# Altium PCB Length Bar Comparator.PcbDoc (part 4 of 6) (continued)
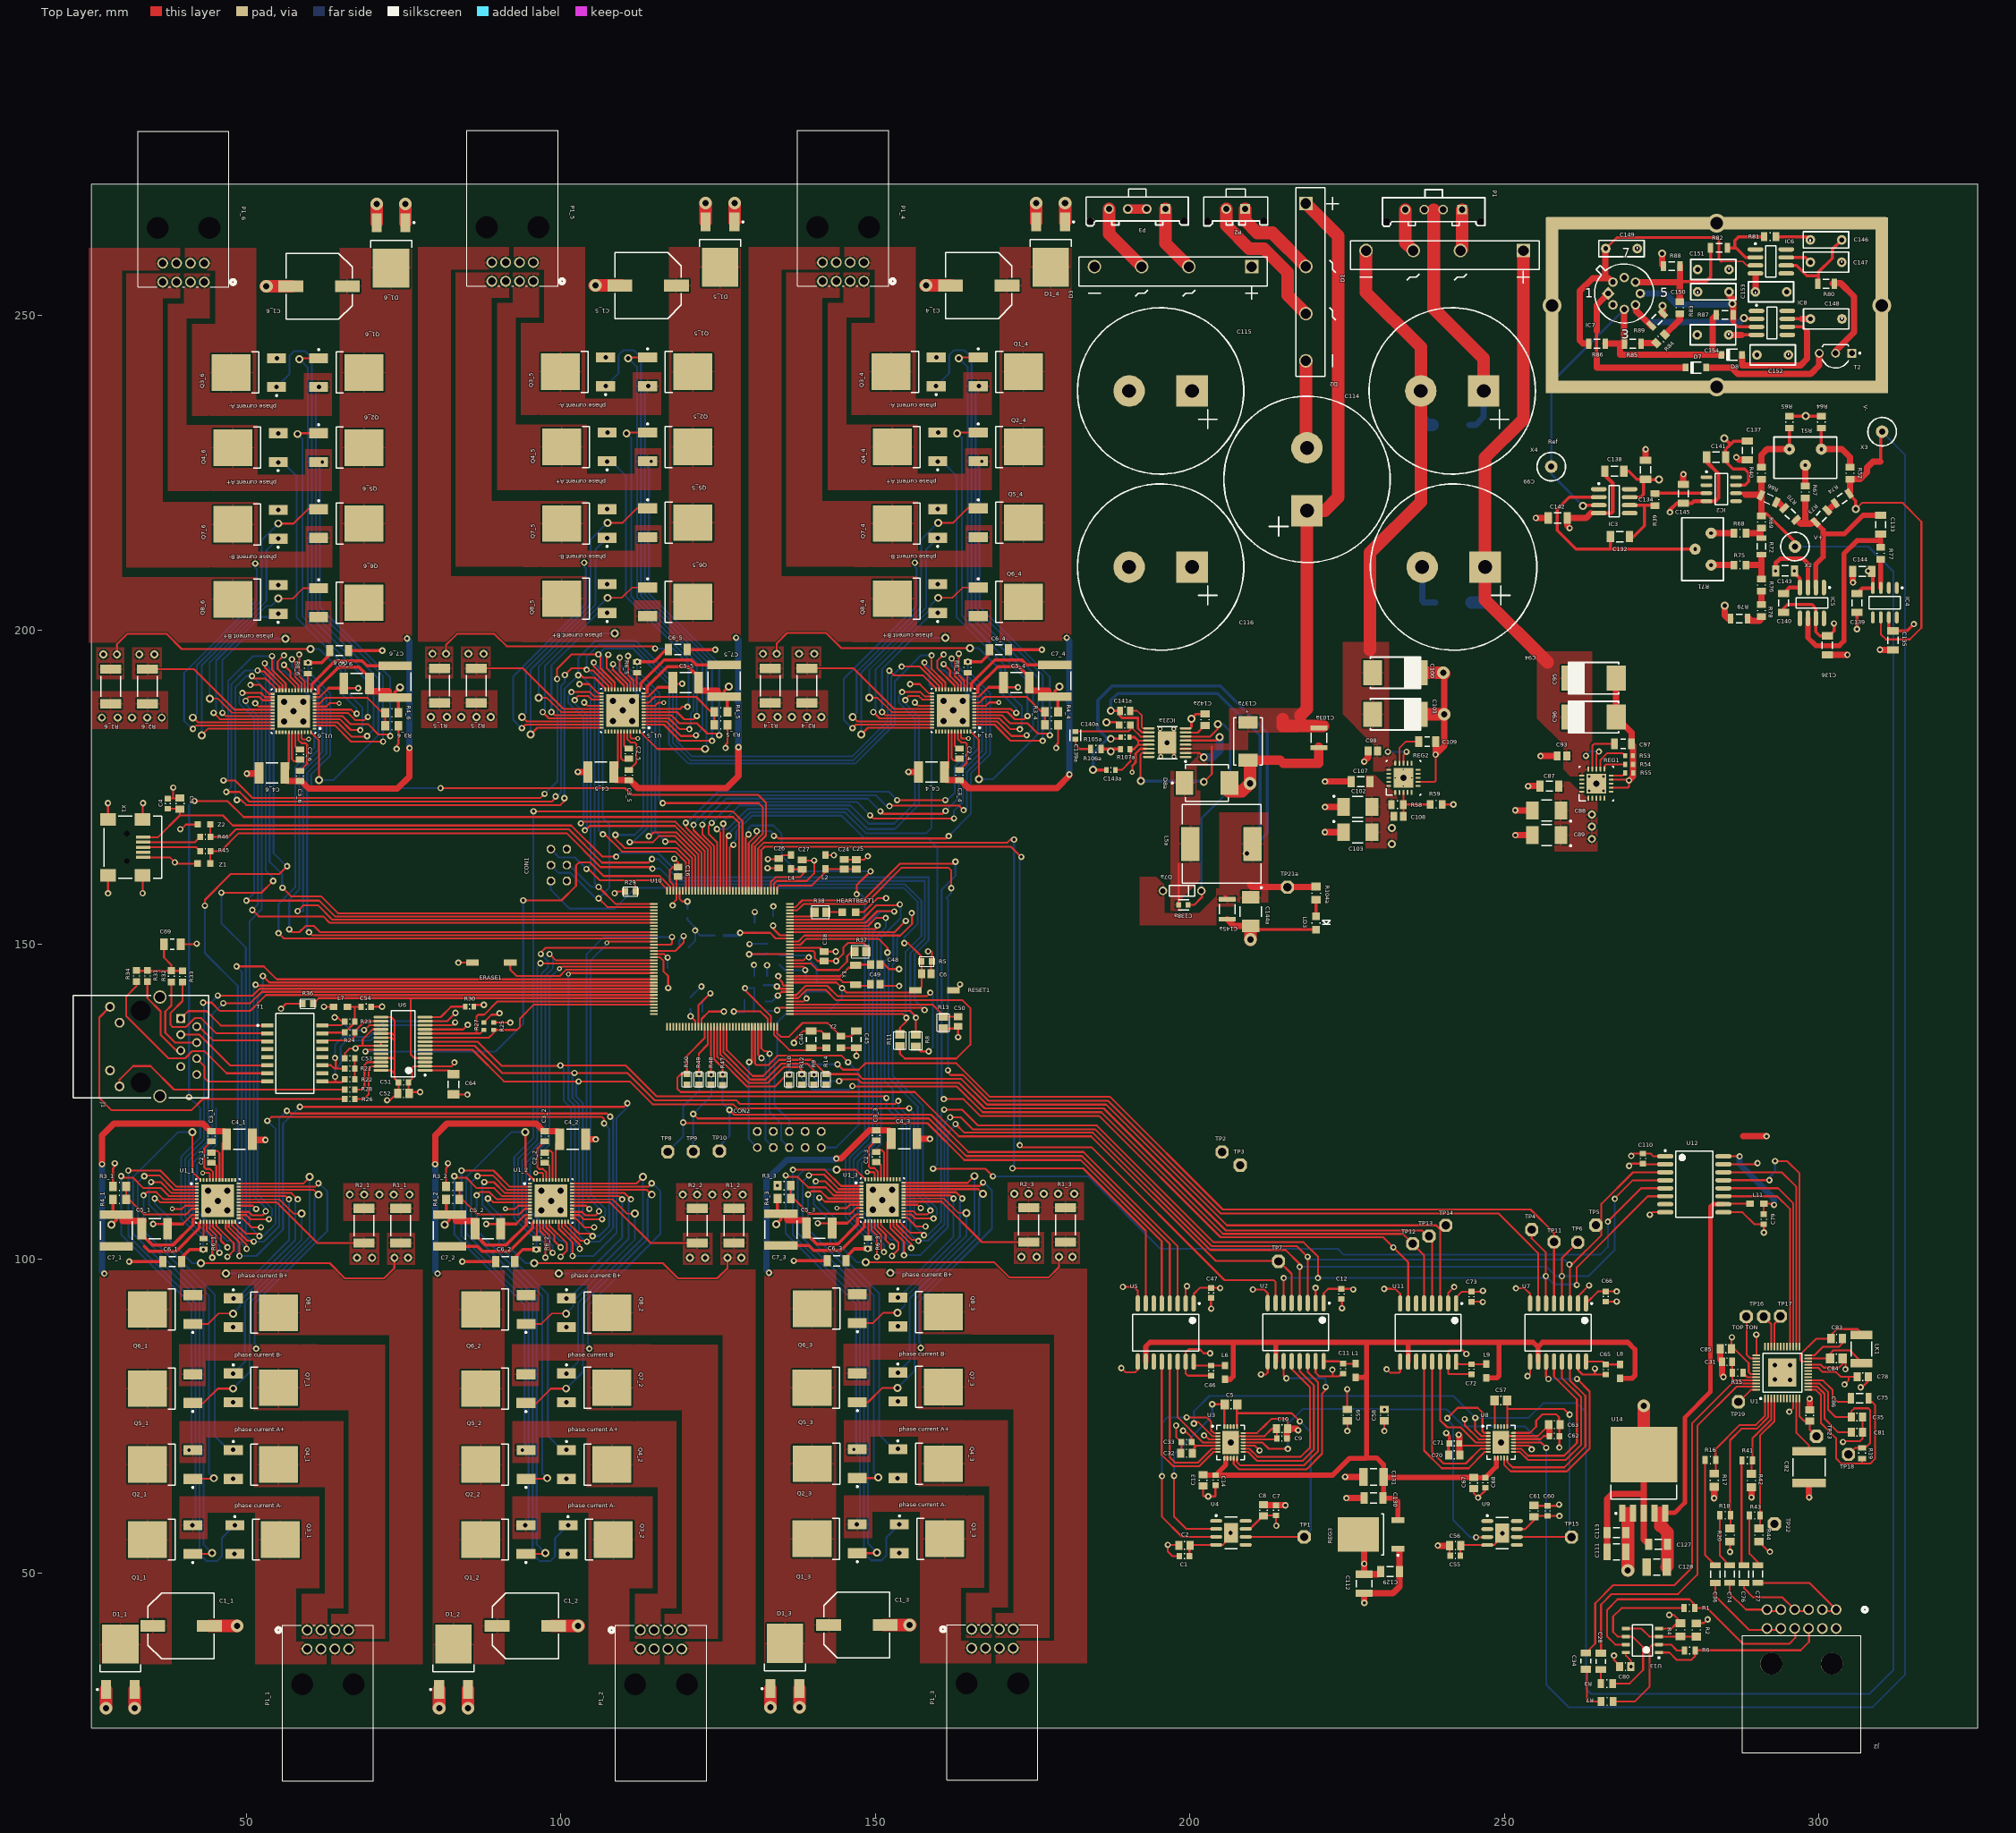
[diagram p0: Top Layer view]
## Nets (pads, with @x,y where several pads share a name; then routed paths per layer and width w, separated by ;. In a path a pad name is that pad's centre, name@x,y a point inside that pad or via, vN(x,y) a via of type N, cw(c..) or ccw(c..) an arc to the next point about the centre after c; other vN are vias at no path point) (continued)
  Top Layer w0.4: C149.2@266.04,260.589 C149.2@266.08,260.629 267.858,262.407 283.693,262.407 284.074,262.026 284.074,258.978 284.455,258.597
  Top Layer w1: R86.1@263.373,245.516 262.484,245.516 261.976,246.024 261.976,253.898 264.008,255.93 266.04,255.93 ; C149.2@266.04,260.589 266.04,255.93 ; IC7.8@267.223,255.295 266.588,255.93 266.04,255.93
NetC150_2: C150.2 IC7.5 IC8.3 R87.2 | length 25.1
  Top Layer w0.5: 286.328,249.144 286.328,248.89 287.035,248.183 IC8.3@290.046,248.183
  Top Layer w1: C150.2@285.558,253.771 285.725,253.604 285.725,253.136 286.233,252.628 v2@286.233,252.12 ; v2(286.233,251.866) v2@286.233,252.12 ; 286.328,249.144 R87.2@286.328,250.088 286.328,252.215 v2@286.233,252.12
  Bottom Layer w1: IC7.5@271.559,253.499 275.583,253.499 277.343,251.739 285.852,251.739 285.979,251.866 v2(286.233,251.866)
NetD1_2: D1.2 P1.P$1 | length 6.6
  Top Layer w0.4: D1.2@242.987,260.325 D1.2@243.233,260.571
  Top Layer w2: D1.2@243.233,260.571 P1.P$1@243.233,266.827
NetD1_3: D1.3 P1.P$4 | length 7
  Top Layer w2: P1.P$4@234.233,266.827 234.233,261.579 D1.3@235.487,260.325
NetD2_2: D2.2 P2.P$1 | length 14.5
  Top Layer w2: P2.P$1@208.763,266.929 208.763,265.074 210.693,263.144 213.066,263.144 D2.2@218.415,257.795
NetD2_3: D2.3 P2.P$2 | length 23.2
  Top Layer w2: P2.P$2@205.762,266.929 205.762,264.29 209.423,260.629 211.734,260.629 215.519,256.845 215.519,253.191 D2.3@218.415,250.295
NetD3_2: D3.2 P3.P$1 | length 10.7
  Top Layer w2: P3.P$1@196.116,266.929 196.116,261.45 D3.2@199.807,257.759
NetD3_3: D3.3 P3.P$4 | length 11.3
  Top Layer w2: P3.P$4@187.116,266.929 187.116,262.95 D3.3@192.307,257.759
NetD7_1: D7.1 T2.3 | length 20.7
  Top Layer w0.254: 299.949,241.96 300.016,242.027
  Top Layer w1: D7.1@282.296,241.706 286.055,241.706 287.071,240.69 298.679,240.69 299.949,241.96 ; 300.016,242.027 T2.3@300.016,243.992
NetD7_2: D7.2 IC7.1 | length 26.7
  Top Layer w0.5: 264.643,243.484 264.643,247.548
  Top Layer w1: 264.643,243.484 264.643,241.706 D7.2@278.752,241.706 D7.2@278.765,241.694 ; 264.643,247.548 264.643,251.663 IC7.1@266.479,253.499
NetD8_1: D8.1 IC8.6 | length 20.2
  Top Layer w0.254: 287.744,242.127 287.784,242.087
  Top Layer w0.5: IC8.6@294.946,248.183 297.322,248.183 298.084,247.421
  Top Layer w1: 287.744,242.127 D8.1@287.744,243.738 ; 287.784,242.087 297.068,242.087 298.084,243.103 298.084,247.421
NetD8_2: D8.2 IC3.3 IC7.3 R85.2 R86.2 R87.1 X4.1 | length 73.4
  Top Layer w0.5: v2@262.723,219.837 IC3.3@264.972,219.837
  Top Layer w1: R86.2@266.023,245.516 268.072,245.516 ; R85.2@269.019,245.57 IC7.3@269.019,250.959 ; R85.2@269.073,245.516 268.072,245.516 ; 283.083,243.738 283.083,249.494 R87.1@283.678,250.088 ; D8.2@284.467,243.738 268.326,243.738 268.326,245.262 268.072,245.516
  Bottom Layer w0.4: v2(262.469,219.71) 257.429,224.75 X4.1@257.429,225.958 257.429,239.37 IC7.3@269.019,250.959
NetHEARTBEAT1_A: HEARTBEAT1.A R38.1 | length 2
  Top Layer w0.305: R38.1@142.199,155.143 HEARTBEAT1.A@144.221,155.143
NetIC2_3: IC2.3 R39.2 | length 8.2
  Top Layer w0.5: R39.2@273.965,221.742 IC2.3@282.09,221.742
  Top Layer w1: R39.2@273.899,221.676 R39.2@273.965,221.742
NetIC4_3: IC4.3 R77.2 | length 4.6
  Top Layer w0.8: R77.2@309.778,211.242 309.804,211.216 IC4.3@309.804,206.693
NetIC6_2: IC6.2 R81.1 R82.1 | length 11
  Top Layer w0.5: R82.1@285.399,260.756 286.614,260.756 286.614,261.899 287.249,262.534 288.265,262.534 R81.1@291.252,262.534 ; 286.741,260.796 288.305,259.232 IC6.2@289.879,259.232
NetIC7_4: IC7.4 IC8.2 R89.2 | length 25.5
  Top Layer w0.5: v2@288.178,249.453 IC8.2@290.046,249.453
  Top Layer w1: IC7.4@270.815,251.703 270.815,250.845 R89.2@273.271,248.389 ; v2(288.051,249.58) v2@288.178,249.453
  Bottom Layer w1: IC7.4@270.815,251.703 270.815,250.814 272.684,248.945 287.416,248.945 v2(288.051,249.58)
NetIC7_6: IC7.6 R82.2 R83.1 R88.2 | length 22.6
  Top Layer w0.5: 277.891,255.422 282.042,255.422 282.749,256.129 R82.2@282.749,260.756
  Top Layer w1: IC7.6@270.815,255.295 277.764,255.295 277.891,255.168 ; R83.1@277.851,252.181 277.851,255.128 277.891,255.168 ; R88.2@277.891,257.907 277.891,255.422 277.891,255.168
NetJ1_1: J1.1 T1.1 | length 15.2
  Top Layer w0.305: J1.1@39.573,138.201 40.767,139.395 43.637,139.395 45.923,137.109 53.287,137.109 T1.1@53.313,137.135
NetJ1_2: J1.2 T1.3 | length 12.2
  Top Layer w0.305: J1.2@42.113,136.931 42.494,136.931 44.704,134.722 53.186,134.722 T1.3@53.313,134.595
NetJ1_3: J1.3 T1.6 | length 15.8
  Top Layer w0.305: J1.3@39.573,135.661 42.545,135.661 47.447,130.759 53.287,130.759 T1.6@53.312,130.785
NetJ1_4: J1.4 R32.1 | length 14.1
  Top Layer w0.305: R32.1@38.075,144.032 38.075,140.284 37.109,139.319 37.109,135.941 38.659,134.391 J1.4@42.113,134.391
NetJ1_5: J1.5 R31.1 | length 13.6
  Top Layer w0.305: R31.1@34.265,144.083 34.265,141.478 36.373,139.37 36.373,135.611 38.862,133.121 J1.5@39.573,133.121
NetJ1_6: J1.6 T1.8 | length 13.8
  Top Layer w0.305: J1.6@42.113,131.851 43.32,130.645 43.32,128.816 43.917,128.219 53.287,128.219 T1.8@53.312,128.245
NetJ1_9: J1.9 R26.1 | length 55.8
  Top Layer w0.305: J1.9@28.323,140.081 26.619,138.377 26.619,125.603 28.6,123.622 41.25,123.622 43.053,125.425 65.621,125.425 R26.1@65.646,125.4
NetJ1_12: J1.12 R28.1 | length 39.3
  Top Layer w0.305: J1.12@29.843,127.431 29.843,128.522 31.979,130.658 34.773,130.658 38.506,126.924 R28.1@65.646,126.924
NetJ2_9: J2.9 R6.1 U13.1 | length 28.2
  Top Layer w0.305: U13.1@274.541,37.414 276.2,37.414 277.368,36.246 279.705,36.246 280.073,36.614 280.275,36.816 R6.1@280.275,37.744 ; R6.1@280.073,37.542 280.301,37.77 297.053,37.77 298.408,39.124 J2.9@298.408,40.982
NetJ2_10: J2.10 R1.1 U13.7 | length 43.2
  Top Layer w0.305: U13.7@269.291,38.684 267.589,38.684 266.294,39.98 266.294,44.196 267.97,45.872 279.4,45.872 280.225,45.048 R1.1@280.225,44.475 282.219,44.475 287.884,38.811 295.275,38.811 296.208,39.744 J2.10@296.208,40.982
NetLD3_1: LD3.1 R104a.1 | length 2.8
  Top Layer w0.5: LD3.1@220.06,154.438 R104a.1@220.06,157.203
NetP1_1_1: P1_1.1 P1_1.2 Q2_1.3 Q4_1.4 U1_1.5 | length 62.4
  Top Layer w0.305: v1(30.099,113.157) 30.099,112.903 32.004,112.903 33.655,111.252 36.449,111.252 37.731,109.97 U1_1.5@42.131,109.97 ; v1(40.898,69.6) Q2_1.3@41.49,69.6
  Bottom Layer w0.305: v1(30.099,113.157) 30.099,103.886 41.275,92.71 41.275,69.977 v1(40.898,69.6)
NetP1_1_3: P1_1.3 P1_1.4 Q5_1.3 Q7_1.4 U1_1.35 | length 46
  Top Layer w0.305: Q5_1.3@40.259,81.661 40.263,81.665 Q5_1.3@41.484,81.665 ; U1_1.35@48.801,111.47 60.924,111.47 v1(61.468,112.014)
  Bottom Layer w0.305: v1(51.562,85.725) 51.562,86.36 51.308,86.614 51.308,92.888 62.865,104.445 62.865,110.744 61.595,112.014 v1(61.468,112.014)
NetP1_1_5: P1_1.5 P1_1.6 Q1_1.3 Q3_1.4 U1_1.2 | length 73
  Top Layer w0.305: v1(31.242,114.046) 36.322,114.046 38.898,111.47 U1_1.2@42.131,111.47 ; v2(41.406,57.662) Q1_1.3@41.484,57.662
  Bottom Layer w0.305: v1(31.242,114.046) 31.242,103.632 41.91,92.964 41.91,58.166 v2(41.406,57.662)
NetP1_1_7: P1_1.7 P1_1.8 Q6_1.3 Q8_1.4 U1_1.32 | length 26.9
  Top Layer w0.305: U1_1.32@48.801,109.97 56.273,109.97 v1(56.769,109.474)
  Bottom Layer w0.305: v2(46.736,97.663) 51.486,97.663 56.769,102.946 v1(56.769,109.474)
NetP1_2_1: P1_2.1 P1_2.2 Q2_2.3 Q4_2.4 U1_2.5 | length 62.4
  Top Layer w0.305: v1(83.058,113.157) 83.058,112.903 84.963,112.903 86.614,111.252 89.408,111.252 90.69,109.97 U1_2.5@95.09,109.97 ; v1(93.857,69.6) Q2_2.3@94.449,69.6
  Bottom Layer w0.305: v1(83.058,113.157) 83.058,103.886 94.234,92.71 94.234,69.977 v1(93.857,69.6)
NetP1_2_3: P1_2.3 P1_2.4 Q5_2.3 Q7_2.4 U1_2.35 | length 46
  Top Layer w0.305: Q5_2.3@93.218,81.661 93.222,81.665 Q5_2.3@94.443,81.665 ; U1_2.35@101.76,111.47 113.883,111.47 v1(114.427,112.014)
  Bottom Layer w0.305: v1(104.521,85.725) 104.521,86.36 104.267,86.614 104.267,92.456 115.824,104.013 115.824,110.744 114.554,112.014 v1(114.427,112.014)
NetP1_2_5: P1_2.5 P1_2.6 Q1_2.3 Q3_2.4 U1_2.2 | length 73
  Top Layer w0.305: v1(84.201,114.046) 89.281,114.046 91.857,111.47 U1_2.2@95.09,111.47 ; v2(94.365,57.662) Q1_2.3@94.443,57.662
  Bottom Layer w0.305: v1(84.201,114.046) 84.201,103.632 94.869,92.964 94.869,58.166 v2(94.365,57.662)
NetP1_2_7: P1_2.7 P1_2.8 Q6_2.3 Q8_2.4 U1_2.32 | length 26.7
  Top Layer w0.305: U1_2.32@101.76,109.97 109.232,109.97 v1(109.728,109.474)
  Bottom Layer w0.305: v2(99.695,97.663) 104.013,97.663 109.728,103.378 v1(109.728,109.474)
NetP1_3_1: P1_3.1 P1_3.2 Q2_3.3 Q4_3.4 U1_3.5 | length 62.4
  Top Layer w0.305: v1(135.738,113.284) 135.738,113.03 137.643,113.03 139.294,111.379 142.088,111.379 143.37,110.097 U1_3.5@147.77,110.097 ; v1(146.537,69.727) Q2_3.3@147.129,69.727
  Bottom Layer w0.305: v1(135.738,113.284) 135.738,104.013 146.914,92.837 146.914,70.104 v1(146.537,69.727)
NetP1_3_3: P1_3.3 P1_3.4 Q5_3.3 Q7_3.4 U1_3.35 | length 46
  Top Layer w0.305: Q5_3.3@145.898,81.788 145.902,81.792 Q5_3.3@147.123,81.792 ; U1_3.35@154.44,111.597 166.563,111.597 v1(167.107,112.141)
  Bottom Layer w0.305: v1(157.201,85.852) 157.201,86.487 156.947,86.741 156.947,93.244 168.504,104.801 168.504,110.871 167.234,112.141 v1(167.107,112.141)
NetP1_3_5: P1_3.5 P1_3.6 Q1_3.3 Q3_3.4 U1_3.2 | length 73
  Top Layer w0.305: v1(136.881,114.173) 141.961,114.173 144.537,111.597 U1_3.2@147.77,111.597 ; v2(147.045,57.789) Q1_3.3@147.123,57.789
  Bottom Layer w0.305: v1(136.881,114.173) 136.881,103.759 147.549,93.091 147.549,58.293 v2(147.045,57.789)
NetP1_3_7: P1_3.7 P1_3.8 Q6_3.3 Q8_3.4 U1_3.32 | length 26.7
  Top Layer w0.305: U1_3.32@154.44,110.097 161.912,110.097 v1(162.408,109.601)
  Bottom Layer w0.305: v2(152.375,97.79) 156.667,97.79 162.408,103.531 v1(162.408,109.601)
NetP1_4_1: P1_4.1 P1_4.2 Q2_4.3 Q4_4.4 U1_4.5 | length 62.4
  Top Layer w0.305: U1_4.5@165.691,186.448 170.091,186.448 171.373,185.166 174.167,185.166 175.818,183.515 177.723,183.515 v1(177.723,183.261) ; Q2_4.3@166.332,226.818 v1(166.924,226.818)
  Bottom Layer w0.305: v1(166.924,226.818) 166.547,226.441 166.547,203.708 177.723,192.532 v1(177.723,183.261)
NetP1_4_3: P1_4.3 P1_4.4 Q5_4.3 Q7_4.4 U1_4.35 | length 46
  Top Layer w0.305: v1(146.354,184.404) 146.898,184.948 U1_4.35@159.021,184.948 ; Q5_4.3@166.338,214.753 167.559,214.753 Q5_4.3@167.563,214.757
  Bottom Layer w0.305: v1(146.354,184.404) 146.227,184.404 144.957,185.674 144.957,192.226 156.514,203.783 156.514,209.804 156.26,210.058 v1(156.26,210.693)
NetP1_4_5: P1_4.5 P1_4.6 Q1_4.3 Q3_4.4 U1_4.2 | length 73
  Top Layer w0.305: U1_4.2@165.691,184.948 168.924,184.948 171.5,182.372 v1(176.58,182.372) ; Q1_4.3@166.338,238.756 v2(166.416,238.756)
  Bottom Layer w0.305: v2(166.416,238.756) 165.912,238.252 165.912,203.454 176.58,192.786 v1(176.58,182.372)
NetP1_4_7: P1_4.7 P1_4.8 Q6_4.3 Q8_4.4 U1_4.32 | length 27.1
  Top Layer w0.305: v1(151.053,186.944) 151.549,186.448 U1_4.32@159.021,186.448
  Bottom Layer w0.305: v1(151.053,186.944) 151.053,193.801 156.007,198.755 v2(161.086,198.755)
NetP1_5_1: P1_5.1 P1_5.2 Q2_5.3 Q4_5.4 U1_5.5 | length 62.4
  Top Layer w0.305: U1_5.5@113.138,186.448 117.538,186.448 118.82,185.166 121.614,185.166 123.265,183.515 125.17,183.515 v1(125.17,183.261) ; Q2_5.3@113.779,226.818 v1(114.371,226.818)
  Bottom Layer w0.305: v1(114.371,226.818) 113.994,226.441 113.994,205.767 125.17,194.591 v1(125.17,183.261)
NetP1_5_3: P1_5.3 P1_5.4 Q5_5.3 Q7_5.4 U1_5.35 | length 46
  Top Layer w0.305: v1(93.801,184.404) 94.345,184.948 U1_5.35@106.468,184.948 ; Q5_5.3@113.785,214.753 115.006,214.753 Q5_5.3@115.01,214.757
  Bottom Layer w0.305: v1(93.801,184.404) 93.674,184.404 92.404,185.674 92.404,192.582 103.961,204.139 103.961,209.804 103.707,210.058 v1(103.707,210.693)
NetP1_5_5: P1_5.5 P1_5.6 Q1_5.3 Q3_5.4 U1_5.2 | length 73
  Top Layer w0.305: U1_5.2@113.138,184.948 116.371,184.948 118.947,182.372 v1(124.027,182.372) ; Q1_5.3@113.785,238.756 v2(113.863,238.756)
  Bottom Layer w0.305: v2(113.863,238.756) 113.359,238.252 113.359,205.614 124.027,194.946 v1(124.027,182.372)
NetP1_5_7: P1_5.7 P1_5.8 Q6_5.3 Q8_5.4 U1_5.32 | length 27.8
  Top Layer w0.305: v1(98.5,186.944) 98.996,186.448 U1_5.32@106.468,186.448
  Bottom Layer w0.305: v1(98.5,186.944) 98.5,194.36 103.607,199.466 v2(108.585,199.466)
NetP1_6_1: P1_6.1 P1_6.2 Q2_6.3 Q4_6.4 U1_6.5 | length 62.4
  Top Layer w0.305: U1_6.5@60.839,186.321 65.239,186.321 66.521,185.039 69.315,185.039 70.966,183.388 72.871,183.388 v1(72.871,183.134) ; Q2_6.3@61.48,226.691 v1(62.072,226.691)
  Bottom Layer w0.305: v1(62.072,226.691) 61.695,226.314 61.695,203.581 72.871,192.405 v1(72.871,183.134)
NetP1_6_3: P1_6.3 P1_6.4 Q5_6.3 Q7_6.4 U1_6.35 | length 46
  Top Layer w0.305: v1(41.502,184.277) 42.046,184.821 U1_6.35@54.169,184.821 ; Q5_6.3@61.486,214.626 62.707,214.626 Q5_6.3@62.711,214.63
  Bottom Layer w0.305: v1(41.502,184.277) 41.375,184.277 40.105,185.547 40.105,193.165 51.662,204.722 51.662,209.677 51.408,209.931 v1(51.408,210.566)
NetP1_6_5: P1_6.5 P1_6.6 Q1_6.3 Q3_6.4 U1_6.2 | length 73
  Top Layer w0.305: U1_6.2@60.839,184.821 64.072,184.821 66.648,182.245 v1(71.728,182.245) ; Q1_6.3@61.486,238.629 v2(61.564,238.629)
  Bottom Layer w0.305: v2(61.564,238.629) 61.06,238.125 61.06,203.327 71.728,192.659 v1(71.728,182.245)
NetP1_6_7: P1_6.7 P1_6.8 Q6_6.3 Q8_6.4 U1_6.32 | length 28
  Top Layer w0.305: v1(46.201,186.817) 46.697,186.321 U1_6.32@54.169,186.321
  Bottom Layer w0.305: v1(46.201,186.817) 46.201,195.223 49.606,198.628 v2(56.234,198.628)
NetP3_P$2: P3.P$2 P3.P$3 | length 6
  Top Layer w1.5: P3.P$3@190.116,266.929 P3.P$2@193.116,266.929
  Bottom Layer w1.5: P3.P$3@190.116,266.929 P3.P$2@193.116,266.929
NetQ1_1_1: Q1_1.1 U1_1.3 | length 77.8
  Top Layer w0.305: v1(33.782,113.157) 33.909,113.284 36.195,113.284 38.509,110.97 U1_1.3@42.131,110.97 ; Q1_1.1@41.484,53.082 44.446,53.082 v2(44.577,53.213)
  Bottom Layer w0.305: v1(33.782,113.157) 32.766,112.141 32.766,104.267 43.18,93.853 43.18,54.61 v2(44.577,53.213)
NetQ1_2_1: Q1_2.1 U1_2.3 | length 77.8
  Top Layer w0.305: v1(86.741,113.157) 86.868,113.284 89.154,113.284 91.468,110.97 U1_2.3@95.09,110.97 ; Q1_2.1@94.443,53.082 97.405,53.082 v2(97.536,53.213)
  Bottom Layer w0.305: v1(86.741,113.157) 85.725,112.141 85.725,104.267 96.139,93.853 96.139,54.61 v2(97.536,53.213)
NetQ1_3_1: Q1_3.1 U1_3.3 | length 77.8
  Top Layer w0.305: v1(139.421,113.284) 139.548,113.411 141.834,113.411 144.148,111.097 U1_3.3@147.77,111.097 ; Q1_3.1@147.123,53.209 150.085,53.209 v2(150.216,53.34)
  Bottom Layer w0.305: v1(139.421,113.284) 138.405,112.268 138.405,104.394 148.819,93.98 148.819,54.737 v2(150.216,53.34)
NetQ1_4_1: Q1_4.1 U1_4.3 | length 77.8
  Top Layer w0.305: v2(163.245,243.205) 163.376,243.336 Q1_4.1@166.338,243.336 ; U1_4.3@165.691,185.448 169.313,185.448 171.627,183.134 173.913,183.134 v1(174.04,183.261)
  Bottom Layer w0.305: v2(163.245,243.205) 164.642,241.808 164.642,202.565 175.056,192.151 175.056,184.277 v1(174.04,183.261)
NetQ1_5_1: Q1_5.1 U1_5.3 | length 77.8
  Top Layer w0.305: v2(110.692,243.205) 110.823,243.336 Q1_5.1@113.785,243.336 ; U1_5.3@113.138,185.448 116.76,185.448 119.074,183.134 121.36,183.134 v1(121.487,183.261)
  Bottom Layer w0.305: v2(110.692,243.205) 112.089,241.808 112.089,205.233 122.503,194.819 122.503,184.277 v1(121.487,183.261)
NetQ1_6_1: Q1_6.1 U1_6.3 | length 77.8
  Top Layer w0.305: v2(58.393,243.078) 58.524,243.209 Q1_6.1@61.486,243.209 ; U1_6.3@60.839,185.321 64.461,185.321 66.775,183.007 69.061,183.007 v1(69.188,183.134)
  Bottom Layer w0.305: v2(58.393,243.078) 59.79,241.681 59.79,202.438 70.204,192.024 70.204,184.15 v1(69.188,183.134)
NetQ2_1_1: Q2_1.1 U1_1.6 | length 62.1
  Top Layer w0.305: v1(33.655,110.109) 34.163,110.617 35.687,110.617 36.834,109.47 U1_1.6@42.131,109.47 ; Q2_1.1@41.49,65.02 44.7,65.02 v2(44.831,65.151)
  Bottom Layer w0.305: v1(33.655,110.109) 33.655,104.521 44.069,94.107 44.069,65.913 v2(44.831,65.151)
NetQ2_2_1: Q2_2.1 U1_2.6 | length 62.1
  Top Layer w0.305: v1(86.614,110.109) 87.122,110.617 88.646,110.617 89.793,109.47 U1_2.6@95.09,109.47 ; Q2_2.1@94.449,65.02 97.659,65.02 v2(97.79,65.151)
  Bottom Layer w0.305: v1(86.614,110.109) 86.614,104.521 97.028,94.107 97.028,65.913 v2(97.79,65.151)
NetQ2_3_1: Q2_3.1 U1_3.6 | length 62.1
  Top Layer w0.305: v1(139.294,110.236) 139.802,110.744 141.326,110.744 142.473,109.597 U1_3.6@147.77,109.597 ; Q2_3.1@147.129,65.147 150.339,65.147 v2(150.47,65.278)
  Bottom Layer w0.305: v1(139.294,110.236) 139.294,104.648 149.708,94.234 149.708,66.04 v2(150.47,65.278)
NetQ2_4_1: Q2_4.1 U1_4.6 | length 62.1
  Top Layer w0.305: v2(162.991,231.267) 163.122,231.398 Q2_4.1@166.332,231.398 ; U1_4.6@165.691,186.948 170.988,186.948 172.135,185.801 173.659,185.801 v1(174.167,186.309)
  Bottom Layer w0.305: v2(162.991,231.267) 163.753,230.505 163.753,202.311 174.167,191.897 v1(174.167,186.309)
NetQ2_5_1: Q2_5.1 U1_5.6 | length 62.1
  Top Layer w0.305: v2(110.438,231.267) 110.569,231.398 Q2_5.1@113.779,231.398 ; U1_5.6@113.138,186.948 118.435,186.948 119.582,185.801 121.106,185.801 v1(121.614,186.309)
  Bottom Layer w0.305: v2(110.438,231.267) 111.2,230.505 111.2,205.284 121.614,194.87 v1(121.614,186.309)
NetQ2_6_1: Q2_6.1 U1_6.6 | length 62.1
  Top Layer w0.305: v2(58.139,231.14) 58.27,231.271 Q2_6.1@61.48,231.271 ; U1_6.6@60.839,186.821 66.136,186.821 67.283,185.674 68.807,185.674 v1(69.315,186.182)
  Bottom Layer w0.305: v2(58.139,231.14) 58.901,230.378 58.901,202.184 69.315,191.77 v1(69.315,186.182)
NetQ3_1_1: Q3_1.1 U1_1.48 | length 94.9
  Top Layer w0.305: v2(41.402,120.142) 41.402,113.869 U1_1.48@42.716,112.555
  Bottom Layer w0.305: v2(41.402,120.142) 39.116,120.142 32.004,113.03 32.004,104.013 42.545,93.472 42.545,53.086 43.688,51.943 45.339,51.943 46.101,52.705 46.101,55.591 v2(48.172,57.662)
NetQ3_1_3: Q3_1.3 Q4_1.3 R1_1.2 U1_1.7 | length 55.3
  Top Layer w0.305: v1(35.433,109.601) 35.687,109.601 36.318,108.97 U1_1.7@42.131,108.97 ; v2(42.799,99.314) 63.246,99.314 65.659,96.901 71.882,96.901 73.533,98.552 v2(73.533,100.203) ; v2(47.883,65.02) Q4_1.3@47.924,65.02 ; v2(48.137,53.082) Q3_1.3@48.172,53.082
  Bottom Layer w0.305: v1(35.433,109.601) 35.433,108.839 37.846,106.426 37.846,102.87 41.402,99.314 v2(42.799,99.314)
  other v2: 75.692,100.203
NetQ3_2_1: Q3_2.1 U1_2.48 | length 94.9
  Top Layer w0.305: v2(94.361,120.142) 94.361,113.869 U1_2.48@95.675,112.555
  Bottom Layer w0.305: v2(94.361,120.142) 92.075,120.142 84.963,113.03 84.963,104.013 95.504,93.472 95.504,53.086 96.647,51.943 98.298,51.943 99.06,52.705 99.06,55.591 v2(101.131,57.662)
NetQ3_2_3: Q3_2.3 Q4_2.3 R1_2.2 U1_2.7 | length 55.3
  Top Layer w0.305: v1(88.392,109.601) 88.646,109.601 89.277,108.97 U1_2.7@95.09,108.97 ; v2(95.758,99.314) 116.205,99.314 118.618,96.901 124.841,96.901 126.492,98.552 v2(126.492,100.203) ; v2(100.842,65.02) Q4_2.3@100.883,65.02 ; v2(101.096,53.082) Q3_2.3@101.131,53.082
  Bottom Layer w0.305: v1(88.392,109.601) 88.392,108.839 90.805,106.426 90.805,102.87 94.361,99.314 v2(95.758,99.314)
  other v2: 128.651,100.203
NetQ3_3_1: Q3_3.1 U1_3.48 | length 86.3
  Top Layer w0.305: v2(143.815,114.173) 146.864,114.173 U1_3.48@148.355,112.682
  Bottom Layer w0.305: v2(143.815,114.173) 138.608,114.173 138.633,114.147 137.643,113.157 137.643,104.14 148.184,93.599 148.184,53.213 149.327,52.07 150.978,52.07 151.74,52.832 151.74,55.718 v2(153.811,57.789)
NetQ3_3_3: Q3_3.3 Q4_3.3 R1_3.2 U1_3.7 | length 55.3
  Top Layer w0.305: v1(141.072,109.728) 141.326,109.728 141.957,109.097 U1_3.7@147.77,109.097 ; v2(148.438,99.441) 168.885,99.441 171.298,97.028 177.521,97.028 179.172,98.679 v2(179.172,100.33) ; v2(153.522,65.147) Q4_3.3@153.563,65.147 ; v2(153.776,53.209) Q3_3.3@153.811,53.209
  Bottom Layer w0.305: v1(141.072,109.728) 141.072,108.966 143.485,106.553 143.485,102.997 147.041,99.441 v2(148.438,99.441)
  other v2: 181.331,100.33
NetQ3_4_1: Q3_4.1 U1_4.48 | length 94.9
  Top Layer w0.305: U1_4.48@165.106,183.863 166.42,182.549 v2(166.42,176.276)
  Bottom Layer w0.305: v2(159.65,238.756) 161.721,240.827 161.721,243.713 162.483,244.475 164.134,244.475 165.277,243.332 165.277,202.946 175.818,192.405 175.818,183.388 168.706,176.276 v2(166.42,176.276)
NetQ3_4_3: Q3_4.3 Q4_4.3 R1_4.2 U1_4.7 | length 55.3
  Top Layer w0.305: v2(134.289,196.215) 134.289,197.866 135.94,199.517 142.163,199.517 144.576,197.104 v2(165.023,197.104) ; Q3_4.3@159.65,243.336 v2(159.685,243.336) ; Q4_4.3@159.898,231.398 v2(159.939,231.398) ; U1_4.7@165.691,187.448 171.504,187.448 172.135,186.817 v1(172.389,186.817)
  Bottom Layer w0.305: v2(165.023,197.104) 166.42,197.104 169.976,193.548 169.976,189.992 172.389,187.579 v1(172.389,186.817)
  other v2: 132.13,196.215
NetQ3_5_1: Q3_5.1 U1_5.48 | length 88.6
  Top Layer w0.305: U1_5.48@112.553,183.863 115.339,181.077 v2(122.936,181.077)
  Bottom Layer w0.305: v2(107.097,238.756) 109.168,240.827 109.168,243.713 109.93,244.475 111.581,244.475 112.724,243.332 112.724,205.436 123.114,195.047 123.114,181 v2@122.936,180.823
NetQ3_5_3: Q3_5.3 Q4_5.3 R1_5.2 U1_5.7 | length 57.8
  Top Layer w0.305: v2(81.736,196.215) 81.736,197.636 83.464,199.365 89.433,199.365 91.389,197.409 114.605,197.409 v11(114.96,197.053) ; Q3_5.3@107.097,243.336 v2(107.132,243.336) ; Q4_5.3@107.345,231.398 v2(107.386,231.398) ; U1_5.7@113.138,187.448 118.951,187.448 119.285,187.782 v1(120.117,187.782)
  Bottom Layer w0.305: 106.201,243.336 v2(107.132,243.336) ; v11(114.96,197.053) 117.805,197.053 120.294,194.564 120.294,188.037 120.039,187.782 v1(120.117,187.782)
  other v2: 79.577,196.215
NetQ3_6_1: Q3_6.1 U1_6.48 | length 94.9
  Top Layer w0.305: U1_6.48@60.254,183.736 61.568,182.422 v2(61.568,176.149)
  Bottom Layer w0.305: v2(54.798,238.629) 56.869,240.7 56.869,243.586 57.631,244.348 59.282,244.348 60.425,243.205 60.425,202.819 70.966,192.278 70.966,183.261 63.854,176.149 v2(61.568,176.149)
NetQ3_6_3: Q3_6.3 Q4_6.3 R1_6.2 U1_6.7 | length 55.3
  Top Layer w0.305: v2(29.437,196.088) 29.437,197.739 31.088,199.39 37.311,199.39 39.724,196.977 v2(60.171,196.977) ; Q3_6.3@54.798,243.209 v2(54.833,243.209) ; Q4_6.3@55.046,231.271 v2(55.087,231.271) ; U1_6.7@60.839,187.321 66.652,187.321 67.283,186.69 v1(67.537,186.69)
  Bottom Layer w0.305: v2(60.171,196.977) 61.568,196.977 65.124,193.421 65.124,189.865 67.537,187.452 v1(67.537,186.69)
  other v2: 27.278,196.088
NetQ4_1_1: Q4_1.1 U1_1.4 | length 56.7
  Top Layer w0.305: v1(34.861,112.204) 36.386,112.204 38.12,110.47 U1_1.4@42.131,110.47 ; Q4_1.1@47.924,69.6 v2(47.924,69.678)
  Bottom Layer w0.305: v1(34.861,112.204) 34.544,111.887 34.544,108.585 37.211,105.918 37.211,102.108 44.958,94.361 44.958,71.882 47.117,69.723 47.879,69.723 v2(47.924,69.678)
NetQ4_2_1: Q4_2.1 U1_2.4 | length 56.7
  Top Layer w0.305: v1(87.82,112.204) 89.344,112.204 91.079,110.47 U1_2.4@95.09,110.47 ; Q4_2.1@100.883,69.6 v2(100.883,69.678)
  Bottom Layer w0.305: v1(87.82,112.204) 87.503,111.887 87.503,108.585 90.17,105.918 90.17,102.108 97.917,94.361 97.917,71.882 100.076,69.723 100.838,69.723 v2(100.883,69.678)
NetQ4_3_1: Q4_3.1 U1_3.4 | length 56.7
  Top Layer w0.305: v1(140.501,112.331) 142.025,112.331 143.759,110.597 U1_3.4@147.77,110.597 ; Q4_3.1@153.563,69.727 v2(153.563,69.805)
  Bottom Layer w0.305: v1(140.501,112.331) 140.183,112.014 140.183,108.712 142.85,106.045 142.85,102.235 150.597,94.488 150.597,72.009 152.756,69.85 153.518,69.85 v2(153.563,69.805)
NetQ4_4_1: Q4_4.1 U1_4.4 | length 56.7
  Top Layer w0.305: v2(159.898,226.74) Q4_4.1@159.898,226.818 ; U1_4.4@165.691,185.948 169.702,185.948 171.436,184.213 v1(172.96,184.213)
  Bottom Layer w0.305: v2(159.898,226.74) 159.943,226.695 160.705,226.695 162.864,224.536 162.864,202.057 170.611,194.31 170.611,190.5 173.278,187.833 173.278,184.531 v1(172.96,184.213)
NetQ4_5_1: Q4_5.1 U1_5.4 | length 57
  Top Layer w0.305: v2(107.345,226.74) Q4_5.1@107.345,226.818 ; U1_5.4@113.138,185.948 117.149,185.948 118.883,184.213 v1(120.407,184.213)
  Bottom Layer w0.305: v2(107.345,226.74) 107.39,226.695 108.152,226.695 110.311,224.536 110.311,205.36 121.056,194.615 121.056,187.122 120.625,186.69 120.625,184.431 v1(120.407,184.213)
NetQ4_6_1: Q4_6.1 U1_6.4 | length 56.7
  Top Layer w0.305: v2(55.046,226.613) Q4_6.1@55.046,226.691 ; U1_6.4@60.839,185.821 64.85,185.821 66.584,184.087 v1(68.108,184.087)
  Bottom Layer w0.305: v2(55.046,226.613) 55.091,226.568 55.853,226.568 58.012,224.409 58.012,201.93 65.759,194.183 65.759,190.373 68.426,187.706 68.426,184.404 v1(68.108,184.087)
NetQ5_1_1: Q5_1.1 U1_1.34 | length 57.2
  Top Layer w0.305: Q5_1.1@41.484,77.085 43.176,77.085 45.466,79.375 v2(47.879,79.375) ; U1_1.34@48.801,110.97 60.706,110.97 61.44,110.236 v2(61.468,110.236)
  Bottom Layer w0.305: v2@47.879,79.756 v2(47.879,79.375) 50.546,82.042 50.546,93.066 60.833,103.353 60.833,109.601 v2(61.468,110.236)
NetQ5_2_1: Q5_2.1 U1_2.34 | length 57.2
  Top Layer w0.305: Q5_2.1@94.443,77.085 96.135,77.085 98.425,79.375 v2(100.838,79.375) ; U1_2.34@101.76,110.97 113.665,110.97 114.399,110.236 v2(114.427,110.236)
  Bottom Layer w0.305: v2@100.838,79.756 v2(100.838,79.375) 103.505,82.042 103.505,92.888 113.792,103.175 113.792,109.601 v2(114.427,110.236)
NetQ5_3_1: Q5_3.1 U1_3.34 | length 57.2
  Top Layer w0.305: Q5_3.1@147.123,77.212 148.815,77.212 151.105,79.502 v2(153.518,79.502) ; U1_3.34@154.44,111.097 166.345,111.097 167.079,110.363 v2(167.107,110.363)
  Bottom Layer w0.305: v2@153.518,79.883 v2(153.518,79.502) 156.185,82.169 156.185,93.447 166.472,103.734 166.472,109.728 v2(167.107,110.363)
NetQ5_4_1: Q5_4.1 U1_4.34 | length 57.2
  Top Layer w0.305: v2(146.354,186.182) 146.382,186.182 147.116,185.448 U1_4.34@159.021,185.448 ; v2(159.943,217.043) 162.356,217.043 164.646,219.333 Q5_4.1@166.338,219.333
  Bottom Layer w0.305: v2(146.354,186.182) 146.989,186.817 146.989,193.293 157.276,203.58 157.276,214.376 v2(159.943,217.043) v2@159.943,216.662
NetQ5_5_1: Q5_5.1 U1_5.34 | length 57.2
  Top Layer w0.305: v2(93.801,186.182) 93.829,186.182 94.563,185.448 U1_5.34@106.468,185.448 ; v2(107.39,217.043) 109.803,217.043 112.093,219.333 Q5_5.1@113.785,219.333
  Bottom Layer w0.305: v2(93.801,186.182) 94.436,186.817 94.436,193.801 104.723,204.088 104.723,214.376 v2(107.39,217.043) v2@107.39,216.662
NetQ5_6_1: Q5_6.1 U1_6.34 | length 57.2
  Top Layer w0.305: v2(41.502,186.055) 41.53,186.055 42.264,185.321 U1_6.34@54.169,185.321 ; v2(55.091,216.916) 57.504,216.916 59.794,219.206 Q5_6.1@61.486,219.206
  Bottom Layer w0.305: v2(41.502,186.055) 42.137,186.69 42.137,194.385 52.424,204.672 52.424,214.249 v2(55.091,216.916) v2@55.091,216.535
NetQ6_1_1: Q6_1.1 U1_1.31 | length 39.1
  Top Layer w0.254: Q6_1.1@41.49,89.658 43.938,89.658 45.593,91.313 v2(47.879,91.313) ; U1_1.31@48.801,109.47 55.249,109.47 57.531,107.188 v2(58.801,107.188)
  Bottom Layer w0.254: 47.879,91.948 v2(47.879,91.313) 49.022,92.456 49.022,93.294 58.801,103.073 v2(58.801,107.188)